# KiCad board stekeeb65_analog.kicad_pcb (continued)
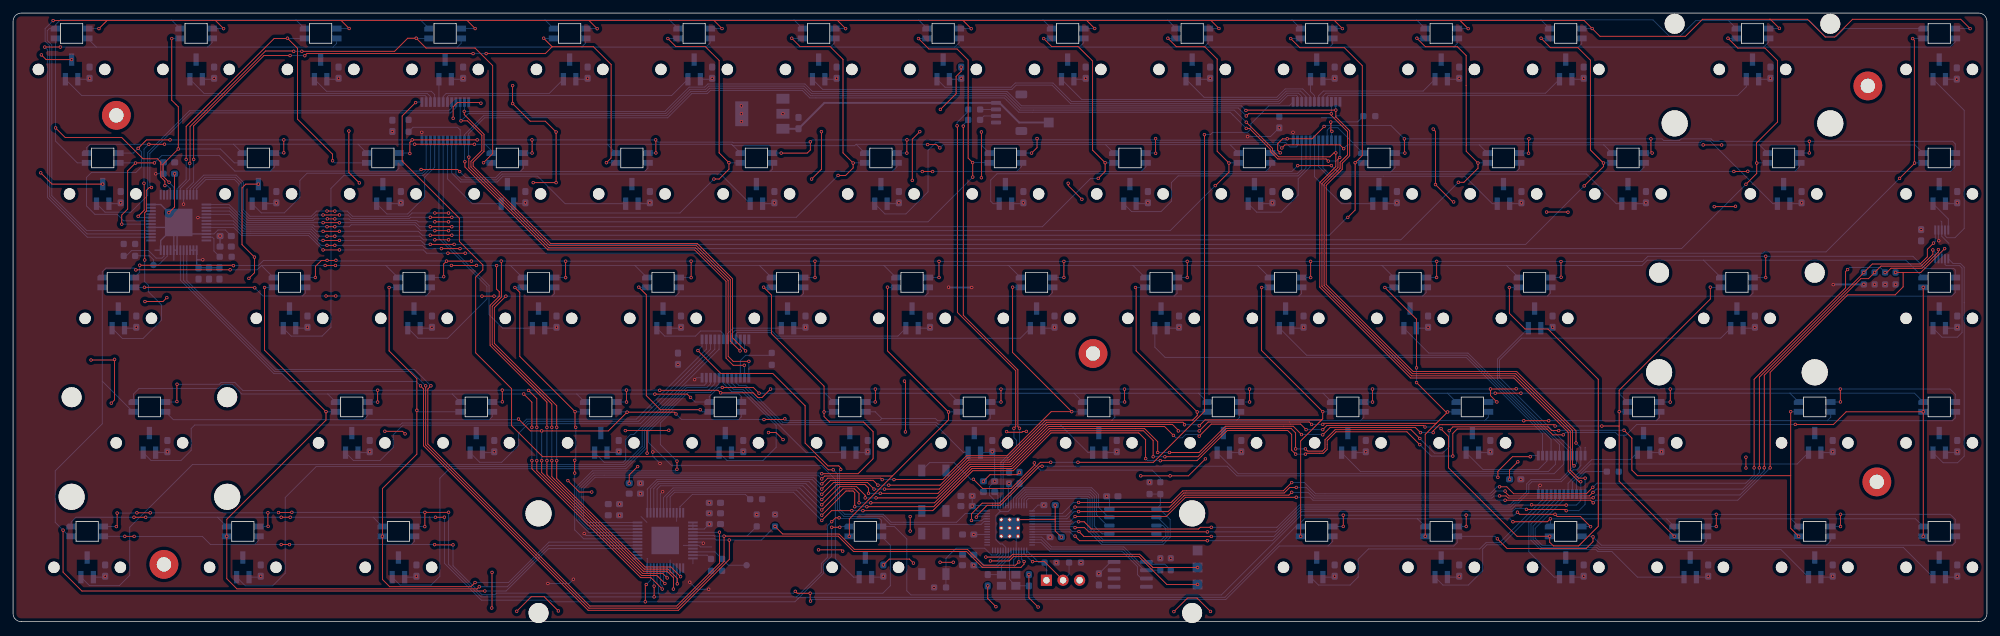
[diagram p0: board, top side]
## Routing (per net, layer and track width the routed paths; a pad name or vN(x,y) marks a point on that pad's centre or on a via; arc(x,y) is an arc through that point) (continued)
ADC0: length 141.6
  Top w0.127: v1(61.58,79.44) 59.53,77.39 59.53,70.49 68.28,61.74 68.28,58.19 71.88,54.59 71.88,53.84 70.78,52.74 70.78,41.14 76.28,35.64 76.28,29.99 81.03,25.24 122.73,25.24 124.73,23.24 v1(125.48,23.24)
  Bottom w0.127: IC1.1 61.66,79.52 v1(61.58,79.44) ; U70.38 148.56,15.34 148.11,14.89 134.96,14.89 134.96,14.89 134.2,14.89 132.97,16.12 127.1,16.12 126.13,17.09 126.13,22.59 v1(125.48,23.24)
ADC1: length 104.2
  Top w0.127: v1(162.93,24.39) 174.48,24.39 182.28,32.19 v1(182.28,74.54) ; v1(146.63,15.49) 146.63,16.49 148.28,18.14 150.93,18.14 157.18,24.39 v1(158.75,24.39)
  Bottom w0.127: U70.39 148.49,15.74 148.19,15.44 146.68,15.44 v1(146.63,15.49) ; v1(162.93,24.39) v1(158.75,24.39) ; IC2.1 195.25,78.94 192.13,78.94 189.38,76.19 189.38,75.39 188.88,74.89 183.53,74.89 183.18,74.54 v1(182.28,74.54)
ADC2: length 93.7
  Top w0.127: v1(232.13,25.24) 229.41,25.24 227.18,23.01 v1(227.18,22.09) ; v1(157.43,23.79) 157.04,23.79 151.07,17.81 149.03,17.81 147.38,16.16 v1(147.38,15.99)
  Bottom w0.127: U70.40 147.53,16.14 v1(147.38,15.99) ; IC3.1 232.3,25.41 v1(232.13,25.24) ; v1(157.43,23.79) 185.78,23.79 187.26,22.31 226.96,22.31 v1(227.18,22.09)
ADC3: length 65
  Top w0.127: v1(126.63,23.29) 126.63,23.54 126.33,23.84 124.68,23.84 123.08,25.44 123.08,25.44 121.18,27.34 121.18,33.04 116.23,37.99 108.28,37.99 v1(104.78,41.49)
  Bottom w0.127: v1(104.78,41.49) 105.41,42.12 IC4.1 ; v1(126.63,23.29) 126.45,23.11 126.45,17.23 127.24,16.44 133.11,16.44 134.33,15.22 136.3,15.22 136.3,15.22 144.36,15.22 145.68,16.54 U70.41
LED1_Col0: length 46
  Top w0.127: v1(6.5,75.56) 7.98,74.09 16.63,74.09 19.88,70.84 22.08,70.84 22.6,70.32 22.6,68.04 23.23,67.42 v1(23.23,66.74)
  Bottom w0.127: S1.4 6.5,73.53 9.82,70.21 S16.4 ; IC5.16 24.09,66.24 23.59,66.74 v1(23.23,66.74)
LED1_Col1: length 38
  Top w0.127: v1(23.87,67.24) 22.93,68.18 22.93,69.99 v1(25.28,72.34) 25.28,78.79 24.28,79.79 v1(24.28,89.24)
  Bottom w0.127: IC5.17 24.59,66.52 v1(23.87,67.24) ; S2.4 24.3,89.26 v1(24.28,89.24) ; v1(25.28,72.34) 31.73,72.34 33.85,70.21 S17.4
LED1_Col2: length 61.8
  Top w0.127: v1(26.48,70.74) 26.48,75.79 39.95,89.26 41.95,89.26 v1(41.98,89.29) 43.53,87.74 43.53,76.89 48.88,71.54 v1(48.88,70.54)
  Bottom w0.127: v1(41.98,89.29) 42.01,89.26 S3.4 ; S18.4 49.2,70.21 v1(48.88,70.54) ; v1(26.48,70.74) 26.48,67.63 25.09,66.24 IC5.18
LED1_Col3: length 83.4
  Top w0.127: v1(42.93,87.29) 42.88,87.34 38.63,87.34 27.08,75.79 27.08,70.19 v1(27.03,70.14) ; v1(71.98,70.24) 73.38,71.64 73.38,85.09 70.68,87.79 63.18,87.79 v1(61.68,89.29) 60.38,89.29 58.38,87.29 v1(44.18,87.29)
  Bottom w0.127: v1(71.98,70.24) 72,70.21 S19.4 ; v1(27.03,70.14) 27.03,67.72 25.59,66.28 IC5.19 ; v1(61.68,89.29) 61.7,89.26 S4.4 ; v1(42.93,87.29) v1(44.18,87.29)
LED1_Col4: length 101.2
  Top w0.127: v1(44.64,86.62) 44.95,86.94 v1(70.38,86.94) ; v1(72.38,86.94) 81.43,86.94 82.48,87.99 ; v1(27.63,70.74) 27.63,75.88 38.39,86.64 v1(42.38,86.64) ; 82.48,87.99 88.78,87.99 91.5,85.27 91.5,70.96 v1(90.78,70.24) ; 82.48,87.99 v1(81.18,89.29)
  Bottom w0.127: v1(27.63,70.74) 27.63,67.28 26.59,66.24 IC5.21 ; v1(90.78,70.24) 90.8,70.21 S20.4 ; v1(81.18,89.29) 81.2,89.26 82.7,89.26 ; v1(70.38,86.94) v1(72.38,86.94) ; v1(42.38,86.64) 44.62,86.64 v1(44.64,86.62)
LED1_Col5: length 122.8
  Top w0.127: v1(107.23,67.74) 108.03,67.74 109.53,69.24 v1(109.53,70.24) 108.02,71.75 108.02,85.9 105.88,88.04 101.38,88.04 v1(100.18,89.24) ; v1(66.63,62.54) v1(64.53,62.54) ; v1(49.23,62.84) v1(48.03,62.84)
  Bottom w0.127: v1(64.53,62.54) 61.03,62.54 60.53,62.04 51.93,62.04 51.13,62.84 v1(49.23,62.84) ; v1(109.53,70.24) 109.55,70.21 S21.4 ; S6.4 100.2,89.26 v1(100.18,89.24) ; v1(107.23,67.74) 102.03,62.54 v1(66.63,62.54) ; v1(48.03,62.84) 46.43,62.84 45.63,62.04 36.23,62.04 35.23,63.04 35.23,67.24 34.13,68.34 29.18,68.34 27.09,66.25 IC5.22
LED1_Col6: length 141.2
  Top w0.127: v1(126.23,68.29) 127.38,68.29 128.53,69.44 v1(128.53,70.19) 126.98,71.74 126.98,86.04 124.98,88.04 120.38,88.04 v1(119.13,89.29) ; v1(63.83,61.89) 67.13,61.89 v1(67.13,61.89) ; v1(49.93,62.24) v1(47.43,62.24)
  Bottom w0.127: IC5.23 27.59,66.24 29.36,68.01 33.99,68.01 34.9,67.11 34.9,62.91 36.09,61.71 45.77,61.71 46.29,62.24 v1(47.43,62.24) ; v1(126.23,68.29) 119.83,61.89 v1(67.13,61.89) ; v1(119.13,89.29) 119.16,89.26 120.8,89.26 ; v1(128.53,70.19) 128.55,70.21 S22.4 ; v1(49.93,62.24) 51.27,62.24 51.79,61.71 60.67,61.71 60.84,61.89 v1(63.83,61.89)
LED1_Col7: length 159.5
  Top w0.127: v1(48.08,61.65) 49.22,61.65 v1(49.23,61.64) ; v1(146.83,68.04) 146.83,70.24 v1(146.8,70.26) 146.12,70.95 146.12,85.95 144.43,87.64 140.13,87.64 v1(138.53,89.24) ; v1(64.53,61.19) v1(66.63,61.19)
  Bottom w0.127: S23.4 149.33,70.26 v1(146.8,70.26) ; v1(64.53,61.19) 61.98,61.19 61.78,61.39 51.66,61.39 51.41,61.64 v1(49.23,61.64) ; S8.4 138.55,89.26 v1(138.53,89.24) ; v1(146.83,68.04) 139.98,61.19 v1(66.63,61.19) ; IC5.24 28.09,66.25 29.53,67.69 33.86,67.69 34.57,66.98 34.57,62.78 35.96,61.39 45.9,61.39 46.16,61.65 v1(48.08,61.65)
LED1_Col8: length 171.6
  Top w0.127: v1(166.03,67.84) 167.08,68.89 v1(167.08,70.24) 165.17,72.15 165.17,85.8 162.93,88.04 158.88,88.04 v1(157.68,89.24) ; v1(49.93,61.04) 49.91,61.06 v1(47.43,61.06) ; v1(63.83,60.44) v1(67.13,60.44)
  Bottom w0.127: v1(49.93,61.04) 49.95,61.06 61.61,61.06 62.23,60.44 v1(63.83,60.44) ; v1(67.13,60.44) 157.48,60.44 164.88,67.84 v1(166.03,67.84) ; S24.4 167.1,70.21 v1(167.08,70.24) ; v1(47.43,61.06) 35.82,61.06 33.04,63.84 IC5.25 ; S9.4 157.7,89.26 v1(157.68,89.24)
LED1_Col9: length 191.5
  Top w0.127: v1(64.53,59.84) v1(66.63,59.84) ; v1(183.93,66.74) 183.94,66.73 183.97,66.73 186.03,68.79 v1(186.03,70.19) 184.22,72 184.22,86.1 182.33,87.99 177.98,87.99 v1(176.68,89.29) ; v1(48.03,60.44) v1(49.23,60.44)
  Bottom w0.127: S10.4 176.7,89.26 v1(176.68,89.29) ; S25.4 186.05,70.21 v1(186.03,70.19) ; v1(49.23,60.44) 51.43,60.44 51.72,60.73 61.47,60.73 62.37,59.84 v1(64.53,59.84) ; IC5.26 33.08,63.34 35.69,60.73 45.9,60.73 46.19,60.44 v1(48.03,60.44) ; v1(183.93,66.74) 177.03,59.84 v1(66.63,59.84)
LED1_Col10: length 216.8
  Top w0.127: v1(63.83,59.14) v1(67.13,59.14) ; v1(195.48,89.24) 196.88,87.84 203.68,87.84 206.43,85.09 206.43,71.34 v1(205.33,70.24) 205.33,62.99 v1(204.2,61.86) ; v1(47.43,59.74) v1(49.93,59.74)
  Bottom w0.127: v1(47.43,59.74) 46.43,59.74 45.76,60.41 35.55,60.41 33.12,62.84 IC5.27 ; v1(195.48,89.24) 195.5,89.26 S11.4 ; v1(205.33,70.24) 206.5,70.24 S26.4 ; v1(63.83,59.14) 62.61,59.14 62.01,59.74 v1(49.93,59.74) ; v1(67.13,59.14) 201.38,59.14 204.1,61.86 v1(204.2,61.86)
LED1_Col11: length 230.1
  Top w0.127: v1(221.13,67.24) 221.98,67.24 224.13,69.39 v1(224.13,70.19) 222.33,71.99 222.33,82.04 222.32,82.05 222.32,86.65 220.98,87.99 216.08,87.99 v1(214.78,89.29) ; v1(64.53,58.44) v1(66.63,58.44) ; v1(48.03,58.99) v1(49.23,58.99)
  Bottom w0.127: v1(49.23,58.99) 62.23,58.99 62.78,58.44 v1(64.53,58.44) ; v1(224.13,70.19) 224.16,70.21 S27.4 ; v1(214.78,89.29) 214.8,89.26 S12.4 ; v1(66.63,58.44) 212.33,58.44 v1(221.13,67.24) ; IC5.28 33.16,62.34 35.42,60.08 45.63,60.08 46.72,58.99 v1(48.03,58.99)
LED1_Col12: length 248.9
  Top w0.127: v1(63.83,57.74) v1(67.48,57.74) ; v1(233.78,89.29) 235.23,87.84 239.43,87.84 241.33,85.94 241.33,72.19 v1(243.33,70.19) 243.33,69.64 v1(240.38,66.69) ; v1(47.43,58.34) v1(49.93,58.34)
  Bottom w0.127: v1(243.33,70.19) 243.35,70.21 S28.4 ; v1(47.43,58.34) 46.91,58.34 45.49,59.75 35.27,59.75 33.68,61.34 IC5.30 ; v1(240.38,66.69) 231.43,57.74 v1(67.48,57.74) ; v1(63.83,57.74) 62.98,57.74 62.38,58.34 v1(49.93,58.34) ; S13.4 233.8,89.26 v1(233.78,89.29)
LED1_Col13: length 274.1
  Top w0.127: v1(65.53,57.09) v1(68.38,57.09) ; v1(262.38,89.29) 263.88,87.79 268.03,87.79 269.95,85.87 269.95,76.46 266.73,73.24 266.73,70.24 v1(266.78,70.19) 266.78,68.59 v1(265.13,66.94) ; v1(48.03,57.59) v1(49.23,57.59)
  Bottom w0.127: v1(65.53,57.09) 63.13,57.09 62.63,57.59 v1(49.23,57.59) ; v1(266.78,70.19) 266.81,70.21 S29.4 ; IC5.31 33.72,60.84 35.13,59.43 45.34,59.43 47.18,57.59 v1(48.03,57.59) ; v1(68.38,57.09) 255.28,57.09 v1(265.13,66.94) ; v1(262.38,89.29) 262.41,89.26 S14.4
LED1_Col14: length 290.9
  Top w0.127: v1(47.43,56.89) v1(49.93,56.89) ; v1(288.63,67.84) 290.93,70.14 v1(290.93,70.19) 290.89,70.23 290.89,88.98 v1(290.63,89.24) ; v1(66.53,56.39) v1(69.18,56.39)
  Bottom w0.127: v1(69.18,56.39) 267.73,56.39 267.93,56.59 277.38,56.59 v1(288.63,67.84) ; S15.4 290.66,89.26 v1(290.63,89.24) ; v1(49.93,56.89) 62.78,56.89 63.28,56.39 v1(66.53,56.39) ; v1(290.93,70.19) 290.96,70.21 S30.4 ; v1(47.43,56.89) 47.42,56.89 45.21,59.1 35,59.1 33.76,60.34 IC5.32
LED2_Col0: length 147.2
  Top w0.127: v1(7.65,14.01) 7.65,7.57 10.53,4.69 v1(72.18,4.69)
  Bottom w0.127: IC6.16 81.92,11.18 75.43,4.69 v1(72.18,4.69) ; 13.65,36.81 18.34,32.11 S45.4 ; 13.65,36.81 13.65,30.28 6.45,23.08 6.45,15.2 v1(7.65,14.01) 8.59,13.06 S59.4 ; 13.65,36.81 S31.4
LED2_Col1: length 123.9
  Top w0.127: v1(71.33,5.34) 71.01,5.02 34.25,5.02 32.7,6.57 v1(32.7,13.06) 32.7,15.67 47.88,30.85 v1(47.88,32.14) 38.48,41.54 v1(38.48,51.14)
  Bottom w0.127: S46.4 47.9,32.11 v1(47.88,32.14) ; S32.4 38.51,51.16 v1(38.48,51.14) ; v1(71.33,5.34) 75.62,5.34 81.96,11.68 IC6.17
LED2_Col2: length 99.1
  Top w0.127: v1(57.53,51.14) 57.53,41.44 61.78,37.19 v1(61.78,32.34) 61.78,25.64 56.51,20.37 v1(56.51,13.06) 56.51,6.46 57.63,5.34 70.03,5.34 v1(70.68,5.99)
  Bottom w0.127: S33.4 57.55,51.16 v1(57.53,51.14) ; IC6.18 81.99,12.18 81.17,11.35 75.81,5.99 v1(70.68,5.99) ; v1(61.78,32.34) 62.01,32.11 S47.4
LED2_Col3: length 53.9
  Top w0.127: v1(76.78,51.14) 77.53,50.39 77.53,40.59 v1(85.98,32.14) 85.98,29.84 v1(86.08,29.74) ; v1(85.93,22.74) v1(85.93,24.69)
  Bottom w0.127: IC6.19 87.29,12.68 85.93,14.04 v1(85.93,22.74) ; v1(76.78,51.14) 76.81,51.16 S34.4 ; v1(85.98,32.14) 86,32.11 S48.4 ; v1(86.08,29.74) 86.1,29.72 86.1,24.86 v1(85.93,24.69)
LED2_Col4: length 75.8
  Top w0.127: v1(95.73,51.19) 96.88,50.04 96.88,34.59 99.03,32.44 v1(105.13,32.44) ; v1(101.58,23.31) v1(101.58,24.56)
  Bottom w0.127: S35.4 95.75,51.16 v1(95.73,51.19) ; v1(101.58,23.31) 101.34,23.08 88.64,23.08 86.26,20.69 86.26,15.48 88.05,13.68 IC6.21 ; v1(101.58,24.56) 99.03,27.11 99.03,30.4 101.07,32.44 v1(105.13,32.44) 105.45,32.11 S49.4
LED2_Col5: length 100.4
  Top w0.127: v1(123.73,22.64) 129.28,22.64 131.58,24.94 131.58,29.09 130.13,30.54 124.93,30.54 124.08,31.39 v1(124.08,32.09) 124.08,36.04 116.03,44.09 116.03,49.99 v1(114.83,51.19)
  Bottom w0.127: v1(114.83,51.19) 114.85,51.16 S36.4 ; v1(123.73,22.64) 123.62,22.75 88.78,22.75 86.58,20.55 86.58,15.61 88.02,14.18 IC6.22 ; v1(124.08,32.09) 124.1,32.11 S50.4
LED2_Col6: length 113.7
  Top w0.127: v1(133.78,51.19) 133.78,41.44 v1(143.13,32.09) 143.13,30.89 127.95,15.71 v1(127.95,13.06) ; 134.53,22.29 124.18,22.29 v1(123.73,21.84)
  Bottom w0.127: v1(123.73,21.84) 123.15,22.42 88.91,22.42 86.91,20.42 86.91,15.75 87.98,14.68 IC6.23 ; S37.4 133.8,51.16 v1(133.78,51.19) ; S51.4 143.16,32.11 v1(143.13,32.09)
LED2_Col7: length 119.4
  Top w0.127: v1(134.78,21.74) 142.23,21.74 145.88,25.39 152.08,25.39 158.83,32.14 v1(161.98,32.14) 152.93,41.19 v1(152.93,51.19) ; v1(132.98,21.74) 132.76,21.96 124.65,21.96 123.78,21.09 v1(123.73,21.09)
  Bottom w0.127: IC6.24 87.94,15.18 87.24,15.88 87.24,20.28 89.05,22.1 122.47,22.1 123.48,21.09 v1(123.73,21.09) ; S38.4 152.95,51.16 v1(152.93,51.19) ; S52.4 162,32.11 v1(161.98,32.14) ; v1(134.78,21.74) v1(132.98,21.74)
LED2_Col8: length 120.8
  Top w0.127: v1(123.73,20.29) 125.08,21.64 131.58,21.64 v1(132.33,20.89) ; v1(133.98,20.89) 141.84,20.89 146.02,25.06 152.22,25.06 158,30.85 180.47,30.85 181.18,31.55 v1(181.18,32.09) 171.83,41.44 171.83,51.04 v1(171.73,51.14)
  Bottom w0.127: v1(171.73,51.14) 171.75,51.16 S39.4 ; IC6.25 97.03,20.29 98.51,21.77 122.25,21.77 v1(123.73,20.29) ; S53.4 181.2,32.11 v1(181.18,32.09) ; v1(133.98,20.89) v1(132.33,20.89)
LED2_Col9: length 159.7
  Top w0.127: v1(123.73,19.49) 125.55,21.31 130.71,21.31 v1(131.73,20.29) ; 200.23,30.89 182.38,30.89 v1(181.48,29.99) ; 200.23,30.89 200.38,31.04 v1(200.38,32.14) 191.03,41.49 v1(191.03,51.14) ; 200.23,30.89 197,27.66 v1(197,13.06) ; v1(179.23,30.14) 179.23,30.29 179,30.52 158.13,30.52 152.35,24.74 146.15,24.74 141.7,20.29 v1(133.33,20.29)
  Bottom w0.127: v1(191.03,51.14) 191.05,51.16 S40.4 ; v1(179.23,30.14) 181.33,30.14 v1(181.48,29.99) ; v1(200.38,32.14) 200.41,32.11 S54.4 ; IC6.26 97.53,20.33 98.65,21.44 121.78,21.44 v1(123.73,19.49) ; v1(133.33,20.29) v1(131.73,20.29)
LED2_Col10: length 178.7
  Top w0.127: v1(200.38,30.19) 200.55,30.36 217.75,30.36 ; v1(132.68,19.64) 141.52,19.64 146.29,24.41 152.49,24.41 158.27,30.19 177.38,30.19 178.28,29.29 v1(178.28,29.19) ; v1(216.05,13.06) 216.05,28.66 217.75,30.36 ; 217.75,30.36 v1(219.48,32.09) 219.23,32.09 v1(214.73,36.59) ; v1(130.88,19.64) 130.88,20.44 130.34,20.98 126.02,20.98 v1(123.73,18.69) ; v1(209.88,51.14) 214.73,46.29 v1(214.73,38.84) ; v1(198.68,30.19) 198.31,30.56 182.85,30.56 v1(181.48,29.19)
  Bottom w0.127: IC6.27 98.03,20.37 98.78,21.12 121.3,21.12 v1(123.73,18.69) ; v1(219.48,32.09) 219.5,32.11 S55.4 ; v1(132.68,19.64) v1(130.88,19.64) ; S41.4 209.91,51.16 v1(209.88,51.14) ; v1(181.48,29.19) v1(178.28,29.19) ; v1(200.38,30.19) v1(198.68,30.19) ; v1(214.73,38.84) v1(214.73,36.59)
LED2_Col11: length 216
  Top w0.127: v1(181.48,28.39) 183.33,30.24 196.98,30.24 v1(197.83,29.39) ; v1(132.03,18.94) 141.28,18.94 146.42,24.08 152.62,24.08 158.41,29.87 176.18,29.87 v1(177.54,28.51) ; v1(200.38,29.39) 201.03,30.04 215.78,30.04 v1(216.03,29.79) ; v1(130.38,18.94) 130.38,19.34 129.06,20.66 126.5,20.66 v1(123.73,17.89) ; v1(228.93,51.14) 228.93,47.19 231.33,44.79 234.83,44.79 242.53,37.09 242.53,14.59 239.53,11.59 235.68,11.59 235.1,12.16 v1(235.1,13.06) 230.1,13.06 219.63,23.54 219.63,28.34 218.48,29.49 v1(218.48,29.54)
  Bottom w0.127: v1(181.48,28.39) 181.24,28.63 179.37,28.63 178.88,28.14 177.9,28.14 v1(177.54,28.51) ; v1(123.73,17.89) 120.83,20.79 99.03,20.79 98.53,20.29 IC6.28 ; S42.4 228.96,51.16 v1(228.93,51.14) ; v1(200.38,29.39) v1(197.83,29.39) ; v1(132.03,18.94) v1(130.38,18.94) ; v1(216.03,29.79) 218.23,29.79 v1(218.48,29.54)
LED2_Col12: length 214.8
  Top w0.127: v1(235.93,29.94) 235.73,30.14 218.23,30.14 217.28,29.19 v1(217.28,28.94) ; v1(254.16,13.06) 245.73,21.49 245.73,29.94 ; v1(176.93,25.89) 181.48,25.89 185.5,29.91 195.86,29.91 v1(197.13,28.64) ; 245.73,29.94 v1(243.08,29.94) ; 245.73,29.94 v1(245.73,32.14) 245.73,35.42 259.68,49.37 v1(259.68,51.19) ; v1(131.23,18.19) 140.99,18.19 146.56,23.76 152.76,23.76 158.54,29.54 173.13,29.54 175.13,27.54 v1(175.13,25.89) ; v1(200.38,28.59) 201.5,29.71 214.56,29.71 v1(215.33,28.94) ; v1(123.73,17.09) 126.97,20.33 128.74,20.33 129.43,19.64 v1(129.43,18.19)
  Bottom w0.127: IC6.30 99.53,19.01 100.98,20.46 120.36,20.46 v1(123.73,17.09) ; v1(200.38,28.59) 200.34,28.63 197.14,28.63 v1(197.13,28.64) ; v1(176.93,25.89) v1(175.13,25.89) ; v1(217.28,28.94) v1(215.33,28.94) ; S56.4 245.75,32.11 v1(245.73,32.14) ; v1(131.23,18.19) v1(129.43,18.19) ; v1(259.68,51.19) 259.71,51.16 S43.4 ; v1(243.08,29.94) v1(235.93,29.94)
LED2_Col13: length 226.3
  Top w0.127: v1(219.73,29.24) 220.3,29.81 234.83,29.81 235.4,29.24 v1(236.48,29.24) ; v1(128.78,17.59) 128.78,19.74 128.52,20 127.44,20 v1(123.73,16.29) ; v1(174.43,25.24) 174.43,27.74 172.96,29.21 158.68,29.21 152.89,23.43 146.69,23.43 140.85,17.59 v1(130.63,17.59) ; v1(273.21,13.06) 271.98,14.29 271.98,22.34 ; v1(215.23,28.04) 213.88,29.39 202.28,29.39 200.73,27.84 200.73,26.49 200.34,26.1 198.07,26.1 v1(197.73,26.44) ; 271.98,22.34 248.53,22.34 247.68,23.19 247.68,28.09 v1(246.48,29.29) ; 271.98,22.34 v1(271.98,32.14) ; v1(196.23,26.44) 196.23,28.89 195.54,29.58 185.64,29.58 181.29,25.24 v1(176.23,25.24)
  Bottom w0.127: S57.4 272,32.11 v1(271.98,32.14) ; v1(219.73,29.24) 219.73,26.79 218.73,25.79 217.48,25.79 v1(215.23,28.04) ; v1(123.73,16.29) 119.88,20.14 101.12,20.14 100.03,19.05 IC6.31 ; v1(246.48,29.29) 236.53,29.29 v1(236.48,29.24) ; v1(176.23,25.24) v1(174.43,25.24) ; v1(130.63,17.59) v1(128.78,17.59) ; v1(197.73,26.44) v1(196.23,26.44)
LED2_Col14: length 257.8
  Top w0.127: v1(123.73,15.49) 125.23,16.99 v1(128.33,16.99) ; v1(272.68,30.19) 278.53,30.19 280.46,32.11 v1(292.25,32.11) ; v1(237.18,28.59) 235.59,28.59 234.69,29.49 220.95,29.49 220.28,28.81 v1(220.28,25.34) ; v1(173.28,24.96) 173.28,27.84 172.23,28.89 158.81,28.89 153.03,23.1 146.83,23.1 140.71,16.99 v1(130.03,16.99) ; v1(197.73,25.64) 197.87,25.78 200.48,25.78 201.06,26.35 201.06,27.7 202.41,29.06 213.26,29.06 v1(215.23,27.09) ; v1(292.25,32.11) v1(292.25,13.06) ; v1(292.25,32.11) v1(292.25,51.16) ; v1(196.23,25.64) 195.63,26.24 195.63,28.64 195.01,29.26 185.77,29.26 181.15,24.64 v1(175.53,24.64)
  Bottom w0.127: v1(215.23,27.09) 216.98,25.34 v1(220.28,25.34) ; v1(123.73,15.49) 119.41,19.81 101.25,19.81 100.53,19.09 IC6.32 ; v1(237.18,28.59) 237.55,28.96 245.18,28.96 245.6,28.54 246.78,28.54 248.43,30.19 v1(272.68,30.19) ; v1(175.53,24.64) 173.6,24.64 v1(173.28,24.96) ; v1(197.73,25.64) v1(196.23,25.64) ; v1(130.03,16.99) v1(128.33,16.99)
LED_Row_B0: length 358.9
  Bottom w0.127: S15.1 280.18,90.76 278.99,89.58 277.24,89.58 274.83,92 262.44,92 ; 24.22,92.1 43.27,92.1 ; 24.22,92.1 7.24,92.1 6.5,91.36 S1.1 5.55,90.76 5.23,90.44 5.23,88.95 5.93,88.25 5.93,65.19 11.28,59.84 IC5.4 ; 24.22,92.1 S2.1 ; 43.27,92.1 S3.1 ; 43.27,92.1 62.32,92.1 ; 100.42,92.1 S6.1 ; 100.42,92.1 119.47,92.1 ; 100.42,92.1 81.37,92.1 ; 119.47,92.1 120.8,90.76 ; 119.47,92.1 138.52,92.1 ; 62.32,92.1 81.37,92.1 ; 62.32,92.1 S4.1 ; 81.37,92.1 82.7,90.76 ; 262.44,92 257.44,92 255.02,89.58 253.43,89.58 250.91,92.1 233.77,92.1 ; 262.44,92 S14.1 ; 157.57,92.1 176.62,92.1 ; 157.57,92.1 S9.1 ; 157.57,92.1 138.52,92.1 ; 176.62,92.1 195.67,92.1 ; 176.62,92.1 S10.1 ; 138.52,92.1 S8.1 ; 214.72,92.1 233.77,92.1 ; 214.72,92.1 195.67,92.1 ; 214.72,92.1 S12.1 ; 233.77,92.1 S13.1 ; 195.67,92.1 S11.1
LED_Row_B1: length 321.7
  Top w0.127: v1(258.59,72.96) 261.4,72.96 v1(261.41,72.95) ; v1(20.03,67.09) 20.06,67.06 20.06,62.97 v1(19.13,62.04) ; v1(141.8,72.5) 141.28,73.02 v1(139.93,73.02) ; v1(23.17,73.07) 23.16,73.06 v1(20.78,73.06) ; v1(194.12,72.49) 194.6,72.97 203,72.97 v1(203.58,72.39) ; v1(61.44,73.07) 70.58,73.07 v1(70.59,73.06)
  Bottom w0.127: 186.2,73 S25.1 ; 186.2,73 167.15,73 ; 186.2,73 193.61,73 v1(194.12,72.49) ; v1(261.41,72.95) 267.21,72.95 ; 267.21,72.95 291.02,72.95 S30.1 ; 267.21,72.95 S29.1 ; 167.15,73 S24.1 ; 167.15,73 148.1,73 ; v1(23.17,73.07) 33.73,73.07 ; 33.73,73.07 S17.1 ; 33.73,73.07 52.77,73.07 ; 148.1,73 142.3,73 v1(141.8,72.5) ; 148.1,73 S23.1 ; 243.37,72.97 243.38,72.96 v1(258.59,72.96) ; 243.37,72.97 224.33,72.97 ; 243.37,72.97 S28.1 ; v1(139.93,73.02) 139.89,73.06 128.98,73.06 ; 224.33,72.97 S27.1 ; 224.33,72.97 205.28,72.97 ; v1(203.58,72.39) 204.16,72.97 205.28,72.97 ; 52.77,73.07 v1(61.44,73.07) ; 52.77,73.07 S18.1 ; v1(19.13,62.04) 19.33,61.84 IC5.8 ; 109.94,73.06 S21.1 ; 109.94,73.06 90.88,73.06 ; 109.94,73.06 110.16,72.84 128.76,72.84 128.98,73.06 ; v1(70.59,73.06) 72.22,73.06 ; 72.22,73.06 90.88,73.06 ; 72.22,73.06 73.18,72.1 S19.1 ; 205.28,72.97 S26.1 ; 90.88,73.06 S20.1 ; 128.98,73.06 S22.1 ; S16.1 11.27,72.56 11.77,73.06 v1(20.78,73.06) 20.03,72.31 v1(20.03,67.09)
LED_Row_B2: length 381.8
  Top w0.127: v1(67.06,54.51) 70.88,54.51 v1(70.89,54.52) ; v1(81.68,24.64) 81.68,22.48 96.44,7.72 100.05,7.72 101.03,6.74 v1(101.03,4.99) ; v1(73.98,54.49) 73.98,50.9 74.38,50.5 74.38,49.79 72.98,48.39 72.98,42.29 81.68,33.59 v1(81.68,29.74) ; v1(18.79,53.83) 18.81,53.85 v1(33.21,53.85) ; v1(49.32,54.51) v1(47.75,54.51)
  Bottom w0.127: S37.1 133.24,54.52 133.23,54.52 ; 228.47,54.52 228.49,54.52 S42.1 ; 228.47,54.52 249.24,54.52 250.04,55.32 258.65,55.32 ; 228.47,54.52 209.34,54.52 ; 75.98,54.52 76.09,54.52 S34.1 ; 75.98,54.52 74.01,54.52 v1(73.98,54.49) 73.95,54.52 v1(70.89,54.52) ; 75.98,54.52 95.08,54.52 ; S38.1 152.29,54.52 152.21,54.52 ; S31.1 13.65,53.55 14.21,54.11 18.51,54.11 v1(18.79,53.83) ; S43.1 258.65,55.32 ; 258.65,55.32 258.65,55.32 258.65,55.32 289.6,55.32 S44.1 ; 57,54.51 57.05,54.51 S33.1 ; 57,54.51 v1(49.32,54.51) ; 57,54.51 v1(67.06,54.51) ; 114.2,54.52 133.23,54.52 ; 114.2,54.52 114.2,54.51 S36.1 ; 114.2,54.52 95.08,54.52 ; 133.23,54.52 152.21,54.52 ; 38,54.51 37.34,53.85 v1(33.21,53.85) ; 38,54.51 v1(47.75,54.51) ; 38,54.51 38,54.51 S32.1 ; S40.1 190.39,54.52 190.37,54.52 ; IC6.4 v1(101.03,4.99) ; 171.31,54.52 190.37,54.52 ; 171.31,54.52 152.21,54.52 ; 171.31,54.52 171.34,54.52 S39.1 ; 190.37,54.52 209.34,54.52 ; 95.08,54.52 95.14,54.52 S35.1 ; 209.34,54.52 209.44,54.52 S41.1 ; v1(81.68,24.64) v1(81.68,29.74)
LED_Row_B3: length 342.4
  Top w0.127: v1(226.77,34.97) v1(230.7,34.97) ; v1(103.65,34.32) 103.15,34.82 v1(98.19,34.82) ; v1(79.38,29.74) 79.38,33.59 v1(78.13,34.84) ; v1(79.38,24.64) 79.38,23.39 96.03,6.74 97.58,6.74 v1(99.33,4.99) ; v1(108.51,35.84) 113.26,35.84 v1(114.14,34.96)
  Bottom w0.127: 67.19,34.84 S47.1 ; 67.19,34.84 48.14,34.84 ; 67.19,34.84 v1(78.13,34.84) 86.24,34.84 ; 48.14,34.84 S46.1 ; 48.14,34.84 34.99,34.84 33.56,36.27 31.97,36.27 31.39,35.68 19.27,35.68 18.41,34.82 S45.1 ; 143.27,34.96 S51.1 ; 143.27,34.96 124.22,34.96 ; 143.27,34.96 162.32,34.96 ; v1(230.7,34.97) 245.66,34.97 ; 245.66,34.97 S56.1 ; 245.66,34.97 271.85,34.97 ; v1(79.38,24.64) v1(79.38,29.74) ; 124.22,34.96 S50.1 ; 124.22,34.96 v1(114.14,34.96) ; 200.42,34.96 219.47,34.96 ; 200.42,34.96 S54.1 ; 200.42,34.96 181.37,34.96 ; 219.47,34.96 226.76,34.96 v1(226.77,34.97) ; 219.47,34.96 S55.1 ; v1(98.19,34.82) 98.17,34.84 86.24,34.84 ; v1(108.51,35.84) 107.91,35.84 106.52,34.45 S49.1 104.35,33.61 v1(103.65,34.32) ; 162.32,34.96 181.37,34.96 ; 162.32,34.96 S52.1 ; 181.37,34.96 S53.1 ; v1(99.33,4.99) 99.33,5.45 99.03,5.75 IC6.8 ; 271.85,34.97 S57.1 ; 271.85,34.97 290.9,34.97 S58.1 ; 86.24,34.84 S48.1
LED_Row_B4: length 331.9
  Top w0.127: v1(229.48,15.29) 234.76,15.29 v1(235.21,15.74) ; v1(126.49,14.45) 125.26,14.45 v1(125.25,14.44) ; v1(96.88,5.69) 96.73,5.54 v1(96.73,3.04) ; v1(65.99,15.99) 65.98,15.98 v1(64.62,15.98) ; v1(20.29,15.98) v1(18.5,15.98) ; v1(41.02,15.98) v1(42.4,15.98)
  Bottom w0.127: 55.1,15.98 v1(64.62,15.98) ; 55.1,15.98 v1(42.4,15.98) ; 55.1,15.98 S61.1 ; v1(126.49,14.45) 126.6,14.56 S62.1 ; v1(229.48,15.29) 229.03,15.74 214.88,15.74 214.87,15.75 ; v1(18.5,15.98) 9.63,15.98 8.89,15.24 S59.1 ; 214.87,15.75 197.6,15.75 197,15.15 S63.1 196.25,14.56 185.42,3.73 120.31,3.73 120.04,3.46 ; 214.87,15.75 S64.1 ; 120.04,3.46 119.62,3.04 v1(96.73,3.04) 82.43,3.04 82.18,3.29 71.65,3.29 65.99,8.95 v1(65.99,15.99) ; 120.04,3.46 123.99,7.41 123.99,8.77 125.25,10.03 v1(125.25,14.44) ; 252.98,15.74 272.03,15.74 ; 252.98,15.74 S66.1 ; 252.98,15.74 v1(235.21,15.74) 235.21,14.67 S65.1 ; 272.03,15.74 291.08,15.74 S68.1 ; 272.03,15.74 S67.1 ; 31.28,15.98 S60.1 ; 31.28,15.98 v1(20.29,15.98) ; 31.28,15.98 v1(41.02,15.98) ; IC6.11 97.53,6.34 v1(96.88,5.69)
LED_Row_G0: length 394
  Top w0.127: 50.18,92.02 v1(51.42,90.78) ; 50.18,92.02 69.45,92.02 ; 50.18,92.02 30.95,92.02 ; 202.14,92.02 221.37,92.02 ; 202.14,92.02 v1(203.39,90.77) ; 202.14,92.02 183.26,92.02 ; 221.37,92.02 240.35,92.02 v1(241.6,90.77) 242.79,89.58 255.87,89.58 258.48,92.19 268.73,92.19 ; 221.37,92.02 v1(222.63,90.76) ; 164.25,92.02 v1(165.49,90.78) ; 164.25,92.02 183.26,92.02 ; 164.25,92.02 145.33,92.02 ; 268.73,92.19 274.55,92.19 277.27,89.47 278.72,89.47 281.44,92.19 298,92.19 v1(299.43,90.76) ; 268.73,92.19 268.86,92.19 v1(270.25,90.8) ; 183.26,92.02 v1(184.5,90.78) ; 145.33,92.02 v1(146.6,90.75) ; 145.33,92.02 126.12,92.02 ; 14.4,92.02 6.21,92.02 6.18,91.99 v1(6.13,91.99) ; 14.4,92.02 30.95,92.02 ; 14.4,92.02 v1(13.14,90.76) ; 126.12,92.02 v1(127.38,90.76) ; 126.12,92.02 107.22,92.02 ; 30.95,92.02 v1(32.21,90.76) ; 107.22,92.02 v1(108.47,90.77) ; 107.22,92.02 88.1,92.02 ; 88.1,92.02 v1(89.37,90.75) ; 88.1,92.02 69.45,92.02 ; 69.45,92.02 v1(70.7,90.77)
  Bottom w0.127: v1(6.13,91.99) 4.9,90.76 4.9,88.82 5.6,88.12 5.6,65.05 11.32,59.34 IC5.3 ; S4.2 70.69,90.76 v1(70.7,90.77) ; 144.75,90.76 146.58,90.76 v1(146.6,90.75) ; S7.2 127.38,90.76 v1(127.38,90.76) ; v1(13.14,90.76) 13.13,90.76 11.4,90.76 ; v1(32.21,90.76) 32.2,90.76 S2.2 ; v1(184.5,90.78) 184.48,90.76 S10.2 ; 106.66,90.76 108.47,90.76 v1(108.47,90.77) ; v1(51.42,90.78) 51.4,90.76 S3.2 ; 220.96,90.76 222.62,90.76 v1(222.63,90.76) ; S14.2 270.22,90.76 v1(270.25,90.8) ; S9.2 165.47,90.76 v1(165.49,90.78) ; S13.2 241.59,90.76 v1(241.6,90.77) ; S11.2 203.38,90.76 v1(203.39,90.77) ; S15.2 299.43,90.76 v1(299.43,90.76) ; v1(89.37,90.75) 89.35,90.76 S5.2
LED_Row_G1: length 365.2
  Top w0.127: v1(19.13,72.44) 20.42,73.73 v1(24.02,73.73) ; v1(98.32,73.73) 98.35,73.7 v1(98.35,71.73) ; v1(156.67,73.94) 156.67,72.55 v1(155.83,71.71) ; v1(136.75,71.71) 136.75,73.71 v1(136.77,73.73) ; v1(231.87,71.69) 231.87,73.82 v1(231.93,73.89) ; v1(250.59,73.89) 250.59,71.91 v1(250.78,71.72) ; v1(212.95,71.71) 212.87,71.79 v1(212.87,73.89) ; v1(174.81,71.68) 174.81,73.93 v1(174.81,73.94) ; v1(200.58,75.79) 200.58,75.74 198.74,73.9 v1(194.95,73.9) 194.24,73.9 193.49,73.15 193.49,72.14 v1(193.88,71.75) ; v1(41.42,71.75) v1(41.42,73.73) ; v1(71.01,73.73) v1(61.07,73.73) 60.71,73.37 v1(60.71,71.64) ; v1(117.52,71.71) 121.5,71.71 121.98,72.19 v1(121.98,73.44) ; v1(274.83,71.73) v1(274.83,73.52) ; v1(79.41,71.72) 79.41,73.71 v1(79.39,73.73)